# Altium PCB PCB1.PcbDoc (part 7 of 15) (continued)
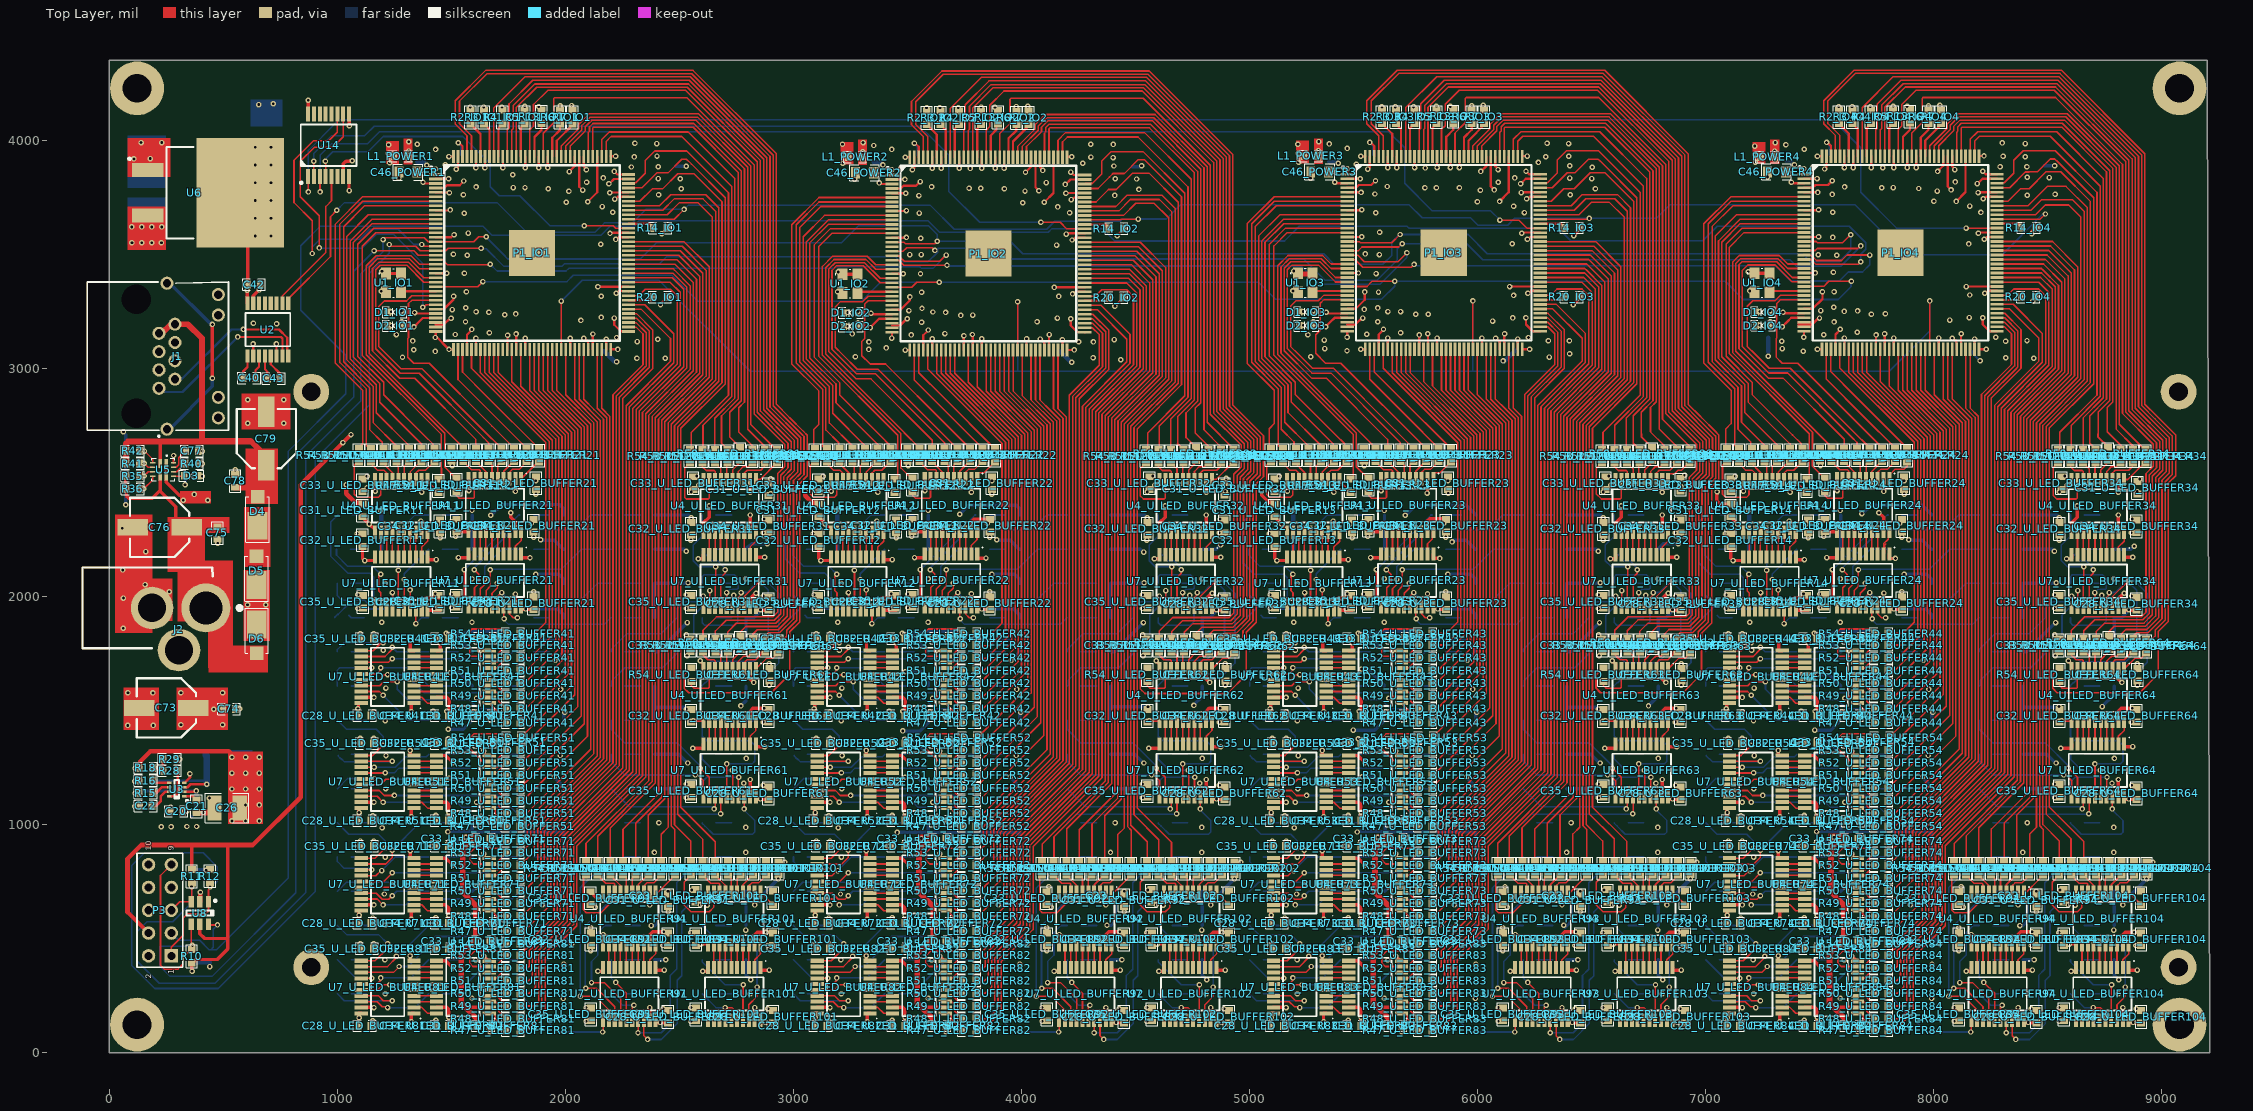
[diagram p0: Top Layer view]
## Nets (pads, with @x,y where several pads share a name; then routed paths per layer and width w, separated by ;. In a path a pad name is that pad's centre, name@x,y a point inside that pad or via, vN(x,y) a via of type N, cw(c..) or ccw(c..) an arc to the next point about the centre after c; other vN are vias at no path point) (continued)
  Bottom Layer w7: v2(7220.63,1657.16) 7300.63,1657.16 7380.1,1577.69 7631.16,1577.69 7660.63,1607.16 R19_U_LED_BUFFER44.2@7800.63,1607.16
L_OUT3_U_LED_BUFFER51: R19_U_LED_BUFFER51.2 U7_U_LED_BUFFER51.16 | length 323
  Top Layer w7: U7_U_LED_BUFFER51.16@1104.96,1174.37 1187.84,1174.37 1212.22,1198.76 v2(1243.11,1198.76)
  Bottom Layer w7: v2(1243.11,1198.76) 1339.04,1198.76 1340.63,1197.16 1380.63,1157.16 R19_U_LED_BUFFER51.2@1400.63,1157.16
L_OUT3_U_LED_BUFFER52: R19_U_LED_BUFFER52.2 U7_U_LED_BUFFER52.16 | length 323
  Top Layer w7: U7_U_LED_BUFFER52.16@3104.96,1174.37 3187.84,1174.37 3212.22,1198.76 v2(3243.11,1198.76)
  Bottom Layer w7: v2(3243.11,1198.76) 3339.04,1198.76 3340.63,1197.16 3380.63,1157.16 R19_U_LED_BUFFER52.2@3400.63,1157.16
L_OUT3_U_LED_BUFFER53: R19_U_LED_BUFFER53.2 U7_U_LED_BUFFER53.16 | length 323
  Top Layer w7: U7_U_LED_BUFFER53.16@5104.96,1174.37 5187.84,1174.37 5212.22,1198.76 v2(5243.11,1198.76)
  Bottom Layer w7: v2(5243.11,1198.76) 5339.04,1198.76 5340.63,1197.16 5380.63,1157.16 R19_U_LED_BUFFER53.2@5400.63,1157.16
L_OUT3_U_LED_BUFFER54: R19_U_LED_BUFFER54.2 U7_U_LED_BUFFER54.16 | length 323
  Top Layer w7: U7_U_LED_BUFFER54.16@7104.96,1174.37 7187.84,1174.37 7212.22,1198.76 v2(7243.11,1198.76)
  Bottom Layer w7: v2(7243.11,1198.76) 7339.04,1198.76 7340.63,1197.16 7380.63,1157.16 R19_U_LED_BUFFER54.2@7400.63,1157.16
L_OUT3_U_LED_BUFFER61: R19_U_LED_BUFFER61.2 U7_U_LED_BUFFER61.16 | length 289.6
  Top Layer w7: v2(2731.81,1237.73) 2731.81,1235.99 2733.43,1234.37 U7_U_LED_BUFFER61.16@2733.43,1121.5
  Bottom Layer w7: R19_U_LED_BUFFER61.2@2600.63,1307.16 2600.63,1285.45 2648.36,1237.73 v2(2731.81,1237.73)
L_OUT3_U_LED_BUFFER62: R19_U_LED_BUFFER62.2 U7_U_LED_BUFFER62.16 | length 289.6
  Top Layer w7: v2(4731.81,1237.73) 4731.81,1235.99 4733.43,1234.37 U7_U_LED_BUFFER62.16@4733.43,1121.5
  Bottom Layer w7: R19_U_LED_BUFFER62.2@4600.63,1307.16 4600.63,1285.45 4648.36,1237.73 v2(4731.81,1237.73)
L_OUT3_U_LED_BUFFER63: R19_U_LED_BUFFER63.2 U7_U_LED_BUFFER63.16 | length 289.6
  Top Layer w7: v2(6731.81,1237.73) 6731.81,1235.99 6733.43,1234.37 U7_U_LED_BUFFER63.16@6733.43,1121.5
  Bottom Layer w7: R19_U_LED_BUFFER63.2@6600.63,1307.16 6600.63,1285.45 6648.36,1237.73 v2(6731.81,1237.73)
L_OUT3_U_LED_BUFFER64: R19_U_LED_BUFFER64.2 U7_U_LED_BUFFER64.16 | length 289.6
  Top Layer w7: v2(8731.81,1237.73) 8731.81,1235.99 8733.43,1234.37 U7_U_LED_BUFFER64.16@8733.43,1121.5
  Bottom Layer w7: R19_U_LED_BUFFER64.2@8600.63,1307.16 8600.63,1285.45 8648.36,1237.73 v2(8731.81,1237.73)
L_OUT3_U_LED_BUFFER71: R19_U_LED_BUFFER71.2 U7_U_LED_BUFFER71.16 | length 401.7
  Top Layer w7: U7_U_LED_BUFFER71.16@1104.96,724.37 1227.84,724.37 v2(1240.63,737.16)
  Bottom Layer w7: R19_U_LED_BUFFER71.2@1000.63,707.16 1040.63,747.16 1230.63,747.16 v2(1240.63,737.16)
L_OUT3_U_LED_BUFFER72: R19_U_LED_BUFFER72.2 U7_U_LED_BUFFER72.16 | length 401.7
  Top Layer w7: U7_U_LED_BUFFER72.16@3104.96,724.37 3227.84,724.37 v2(3240.63,737.16)
  Bottom Layer w7: R19_U_LED_BUFFER72.2@3000.63,707.16 3040.63,747.16 3230.63,747.16 v2(3240.63,737.16)
L_OUT3_U_LED_BUFFER73: R19_U_LED_BUFFER73.2 U7_U_LED_BUFFER73.16 | length 401.7
  Top Layer w7: U7_U_LED_BUFFER73.16@5104.96,724.37 5227.84,724.37 v2(5240.63,737.16)
  Bottom Layer w7: R19_U_LED_BUFFER73.2@5000.63,707.16 5040.63,747.16 5230.63,747.16 v2(5240.63,737.16)
L_OUT3_U_LED_BUFFER74: R19_U_LED_BUFFER74.2 U7_U_LED_BUFFER74.16 | length 401.7
  Top Layer w7: U7_U_LED_BUFFER74.16@7104.96,724.37 7227.84,724.37 v2(7240.63,737.16)
  Bottom Layer w7: R19_U_LED_BUFFER74.2@7000.63,707.16 7040.63,747.16 7230.63,747.16 v2(7240.63,737.16)
L_OUT3_U_LED_BUFFER81: R19_U_LED_BUFFER81.2 U7_U_LED_BUFFER81.16 | length 750.5
  Top Layer w7: U7_U_LED_BUFFER81.16@1104.96,274.37 1177.84,274.37 1200.63,297.16 v2@1230.63,297.16
  Bottom Layer w7: v2(1230.79,297.26) 1560.73,297.26 1670.63,407.16 R19_U_LED_BUFFER81.2@1800.63,407.16
L_OUT3_U_LED_BUFFER82: R19_U_LED_BUFFER82.2 U7_U_LED_BUFFER82.16 | length 750.5
  Top Layer w7: U7_U_LED_BUFFER82.16@3104.96,274.37 3177.84,274.37 3200.63,297.16 v2@3230.63,297.16
  Bottom Layer w7: v2(3230.79,297.26) 3560.73,297.26 3670.63,407.16 R19_U_LED_BUFFER82.2@3800.63,407.16
L_OUT3_U_LED_BUFFER83: R19_U_LED_BUFFER83.2 U7_U_LED_BUFFER83.16 | length 750.5
  Top Layer w7: U7_U_LED_BUFFER83.16@5104.96,274.37 5177.84,274.37 5200.63,297.16 v2@5230.63,297.16
  Bottom Layer w7: v2(5230.79,297.26) 5560.73,297.26 5670.63,407.16 R19_U_LED_BUFFER83.2@5800.63,407.16
L_OUT3_U_LED_BUFFER84: R19_U_LED_BUFFER84.2 U7_U_LED_BUFFER84.16 | length 750.5
  Top Layer w7: U7_U_LED_BUFFER84.16@7104.96,274.37 7177.84,274.37 7200.63,297.16 v2@7230.63,297.16
  Bottom Layer w7: v2(7230.79,297.26) 7560.73,297.26 7670.63,407.16 R19_U_LED_BUFFER84.2@7800.63,407.16
L_OUT3_U_LED_BUFFER91: R19_U_LED_BUFFER91.2 U7_U_LED_BUFFER91.16 | length 189.4
  Top Layer w7: U7_U_LED_BUFFER91.16@2293.43,141.5 2293.43,199.96 v2(2300.63,207.16)
  Bottom Layer w7: R19_U_LED_BUFFER91.2@2200.63,257.16 2250.63,207.16 v2(2300.63,207.16)
L_OUT3_U_LED_BUFFER92: R19_U_LED_BUFFER92.2 U7_U_LED_BUFFER92.16 | length 189.4
  Top Layer w7: U7_U_LED_BUFFER92.16@4293.43,141.5 4293.43,199.96 v2(4300.63,207.16)
  Bottom Layer w7: R19_U_LED_BUFFER92.2@4200.63,257.16 4250.63,207.16 v2(4300.63,207.16)
L_OUT3_U_LED_BUFFER93: R19_U_LED_BUFFER93.2 U7_U_LED_BUFFER93.16 | length 189.4
  Top Layer w7: U7_U_LED_BUFFER93.16@6293.43,141.5 6293.43,199.96 v2(6300.63,207.16)
  Bottom Layer w7: R19_U_LED_BUFFER93.2@6200.63,257.16 6250.63,207.16 v2(6300.63,207.16)
L_OUT3_U_LED_BUFFER94: R19_U_LED_BUFFER94.2 U7_U_LED_BUFFER94.16 | length 189.4
  Top Layer w7: U7_U_LED_BUFFER94.16@8293.43,141.5 8293.43,199.96 v2(8300.63,207.16)
  Bottom Layer w7: R19_U_LED_BUFFER94.2@8200.63,257.16 8250.63,207.16 v2(8300.63,207.16)
L_OUT3_U_LED_BUFFER101: R19_U_LED_BUFFER101.2 U7_U_LED_BUFFER101.16 | length 220
  Top Layer w7: v2(2700.63,197.16) 2730.63,197.16 2753.43,174.37 U7_U_LED_BUFFER101.16@2753.43,141.5
  Bottom Layer w7: R19_U_LED_BUFFER101.2@2600.63,257.16 2660.63,197.16 v2(2700.63,197.16)
L_OUT3_U_LED_BUFFER102: R19_U_LED_BUFFER102.2 U7_U_LED_BUFFER102.16 | length 220
  Top Layer w7: v2(4700.63,197.16) 4730.63,197.16 4753.43,174.37 U7_U_LED_BUFFER102.16@4753.43,141.5
  Bottom Layer w7: R19_U_LED_BUFFER102.2@4600.63,257.16 4660.63,197.16 v2(4700.63,197.16)
L_OUT3_U_LED_BUFFER103: R19_U_LED_BUFFER103.2 U7_U_LED_BUFFER103.16 | length 220
  Top Layer w7: v2(6700.63,197.16) 6730.63,197.16 6753.43,174.37 U7_U_LED_BUFFER103.16@6753.43,141.5
  Bottom Layer w7: R19_U_LED_BUFFER103.2@6600.63,257.16 6660.63,197.16 v2(6700.63,197.16)
L_OUT3_U_LED_BUFFER104: R19_U_LED_BUFFER104.2 U7_U_LED_BUFFER104.16 | length 220
  Top Layer w7: v2(8700.63,197.16) 8730.63,197.16 8753.43,174.37 U7_U_LED_BUFFER104.16@8753.43,141.5
  Bottom Layer w7: R19_U_LED_BUFFER104.2@8600.63,257.16 8660.63,197.16 v2(8700.63,197.16)
L_OUT4_U_LED_BUFFER11: R22_U_LED_BUFFER11.2 U7_U_LED_BUFFER11.15 | length 505.5
  Top Layer w7: U7_U_LED_BUFFER11.15@1267.89,1941.81 v2(1267.89,2114.42)
  Bottom Layer w7: v2(1267.89,2114.42) 1267.89,2284.42 1340.63,2357.16 R22_U_LED_BUFFER11.2@1400.63,2357.16
L_OUT4_U_LED_BUFFER12: R22_U_LED_BUFFER12.2 U7_U_LED_BUFFER12.15 | length 505.5
  Top Layer w7: U7_U_LED_BUFFER12.15@3267.89,1941.81 v2(3267.89,2114.42)
  Bottom Layer w7: v2(3267.89,2114.42) 3267.89,2284.42 3340.63,2357.16 R22_U_LED_BUFFER12.2@3400.63,2357.16
L_OUT4_U_LED_BUFFER13: R22_U_LED_BUFFER13.2 U7_U_LED_BUFFER13.15 | length 505.5
  Top Layer w7: U7_U_LED_BUFFER13.15@5267.89,1941.81 v2(5267.89,2114.42)
  Bottom Layer w7: v2(5267.89,2114.42) 5267.89,2284.42 5340.63,2357.16 R22_U_LED_BUFFER13.2@5400.63,2357.16
L_OUT4_U_LED_BUFFER14: R22_U_LED_BUFFER14.2 U7_U_LED_BUFFER14.15 | length 505.5
  Top Layer w7: U7_U_LED_BUFFER14.15@7267.89,1941.81 v2(7267.89,2114.42)
  Bottom Layer w7: v2(7267.89,2114.42) 7267.89,2284.42 7340.63,2357.16 R22_U_LED_BUFFER14.2@7400.63,2357.16
L_OUT4_U_LED_BUFFER21: R22_U_LED_BUFFER21.2 U7_U_LED_BUFFER21.15 | length 211.5
  Top Layer w7: U7_U_LED_BUFFER21.15@1678.43,1954.83 1678.43,2013.47 1700.63,2035.67 v2(1700.63,2057.16)
  Bottom Layer w7: v2(1700.63,2057.16) R22_U_LED_BUFFER21.2@1800.63,2057.16
L_OUT4_U_LED_BUFFER22: R22_U_LED_BUFFER22.2 U7_U_LED_BUFFER22.15 | length 211.5
  Top Layer w7: U7_U_LED_BUFFER22.15@3678.43,1954.83 3678.43,2013.47 3700.63,2035.67 v2(3700.63,2057.16)
  Bottom Layer w7: v2(3700.63,2057.16) R22_U_LED_BUFFER22.2@3800.63,2057.16
L_OUT4_U_LED_BUFFER23: R22_U_LED_BUFFER23.2 U7_U_LED_BUFFER23.15 | length 211.5
  Top Layer w7: U7_U_LED_BUFFER23.15@5678.43,1954.83 5678.43,2013.47 5700.63,2035.67 v2(5700.63,2057.16)
  Bottom Layer w7: v2(5700.63,2057.16) R22_U_LED_BUFFER23.2@5800.63,2057.16
L_OUT4_U_LED_BUFFER24: R22_U_LED_BUFFER24.2 U7_U_LED_BUFFER24.15 | length 211.5
  Top Layer w7: U7_U_LED_BUFFER24.15@7678.43,1954.83 7678.43,2013.47 7700.63,2035.67 v2(7700.63,2057.16)
  Bottom Layer w7: v2(7700.63,2057.16) R22_U_LED_BUFFER24.2@7800.63,2057.16
L_OUT4_U_LED_BUFFER31: R22_U_LED_BUFFER31.2 U7_U_LED_BUFFER31.15 | length 363.6
  Top Layer w7: v2(2706.94,2016.96) 2707.84,2016.06 U7_U_LED_BUFFER31.15@2707.84,1951.5
  Bottom Layer w7: R22_U_LED_BUFFER31.2@2600.63,2057.16 2600.63,2087.16 2608.13,2094.66 2740.56,2094.66 2758.06,2077.16 2758.06,2036.42 2752.55,2030.9 2720.88,2030.9 v2(2706.94,2016.96)
L_OUT4_U_LED_BUFFER32: R22_U_LED_BUFFER32.2 U7_U_LED_BUFFER32.15 | length 363.6
  Top Layer w7: v2(4706.94,2016.96) 4707.84,2016.06 U7_U_LED_BUFFER32.15@4707.84,1951.5
  Bottom Layer w7: R22_U_LED_BUFFER32.2@4600.63,2057.16 4600.63,2087.16 4608.13,2094.66 4740.56,2094.66 4758.06,2077.16 4758.06,2036.42 4752.55,2030.9 4720.88,2030.9 v2(4706.94,2016.96)
L_OUT4_U_LED_BUFFER33: R22_U_LED_BUFFER33.2 U7_U_LED_BUFFER33.15 | length 363.6
  Top Layer w7: v2(6706.94,2016.96) 6707.84,2016.06 U7_U_LED_BUFFER33.15@6707.84,1951.5
  Bottom Layer w7: R22_U_LED_BUFFER33.2@6600.63,2057.16 6600.63,2087.16 6608.13,2094.66 6740.56,2094.66 6758.06,2077.16 6758.06,2036.42 6752.55,2030.9 6720.88,2030.9 v2(6706.94,2016.96)
L_OUT4_U_LED_BUFFER34: R22_U_LED_BUFFER34.2 U7_U_LED_BUFFER34.15 | length 363.6
  Top Layer w7: v2(8706.94,2016.96) 8707.84,2016.06 U7_U_LED_BUFFER34.15@8707.84,1951.5
  Bottom Layer w7: R22_U_LED_BUFFER34.2@8600.63,2057.16 8600.63,2087.16 8608.13,2094.66 8740.56,2094.66 8758.06,2077.16 8758.06,2036.42 8752.55,2030.9 8720.88,2030.9 v2(8706.94,2016.96)
L_OUT4_U_LED_BUFFER41: R22_U_LED_BUFFER41.2 U7_U_LED_BUFFER41.15 | length 335.9
  Top Layer w7: U7_U_LED_BUFFER41.15@1104.96,1659.96 1173.43,1659.96 v2@1190.63,1677.16
  Bottom Layer w7: v2(1190.63,1687.16) 1320.63,1687.16 R22_U_LED_BUFFER41.2@1400.63,1607.16
L_OUT4_U_LED_BUFFER42: R22_U_LED_BUFFER42.2 U7_U_LED_BUFFER42.15 | length 335.9
  Top Layer w7: U7_U_LED_BUFFER42.15@3104.96,1659.96 3173.43,1659.96 v2@3190.63,1677.16
  Bottom Layer w7: v2(3190.63,1687.16) 3320.63,1687.16 R22_U_LED_BUFFER42.2@3400.63,1607.16
L_OUT4_U_LED_BUFFER43: R22_U_LED_BUFFER43.2 U7_U_LED_BUFFER43.15 | length 335.9
  Top Layer w7: U7_U_LED_BUFFER43.15@5104.96,1659.96 5173.43,1659.96 v2@5190.63,1677.16
  Bottom Layer w7: v2(5190.63,1687.16) 5320.63,1687.16 R22_U_LED_BUFFER43.2@5400.63,1607.16
L_OUT4_U_LED_BUFFER44: R22_U_LED_BUFFER44.2 U7_U_LED_BUFFER44.15 | length 335.9
  Top Layer w7: U7_U_LED_BUFFER44.15@7104.96,1659.96 7173.43,1659.96 v2@7190.63,1677.16
  Bottom Layer w7: v2(7190.63,1687.16) 7320.63,1687.16 R22_U_LED_BUFFER44.2@7400.63,1607.16
L_OUT4_U_LED_BUFFER51: R22_U_LED_BUFFER51.2 U7_U_LED_BUFFER51.15 | length 238.5
  Top Layer w7: U7_U_LED_BUFFER51.15@1104.96,1199.96 1161.37,1199.96 v2(1162.99,1201.57)
  Bottom Layer w7: R22_U_LED_BUFFER51.2@1000.63,1157.16 1045.04,1201.57 v2@1162.03,1201.57
L_OUT4_U_LED_BUFFER52: R22_U_LED_BUFFER52.2 U7_U_LED_BUFFER52.15 | length 238.5
  Top Layer w7: U7_U_LED_BUFFER52.15@3104.96,1199.96 3161.37,1199.96 v2(3162.99,1201.57)
  Bottom Layer w7: R22_U_LED_BUFFER52.2@3000.63,1157.16 3045.04,1201.57 v2@3162.03,1201.57
L_OUT4_U_LED_BUFFER53: R22_U_LED_BUFFER53.2 U7_U_LED_BUFFER53.15 | length 238.5
  Top Layer w7: U7_U_LED_BUFFER53.15@5104.96,1199.96 5161.37,1199.96 v2(5162.99,1201.57)
  Bottom Layer w7: R22_U_LED_BUFFER53.2@5000.63,1157.16 5045.04,1201.57 v2@5162.03,1201.57
L_OUT4_U_LED_BUFFER54: R22_U_LED_BUFFER54.2 U7_U_LED_BUFFER54.15 | length 238.5
  Top Layer w7: U7_U_LED_BUFFER54.15@7104.96,1199.96 7161.37,1199.96 v2(7162.99,1201.57)
  Bottom Layer w7: R22_U_LED_BUFFER54.2@7000.63,1157.16 7045.04,1201.57 v2@7162.03,1201.57
L_OUT4_U_LED_BUFFER61: R22_U_LED_BUFFER61.2 U7_U_LED_BUFFER61.15 | length 662.1
  Top Layer w7: U7_U_LED_BUFFER61.15@2707.84,1121.5 2707.84,1265.38 v2(2707.65,1265.56) 2709.26,1267.16 v2@2710.63,1267.16
  Bottom Layer w7: R22_U_LED_BUFFER61.2@2600.63,1457.16 2600.63,1387.16 2620.63,1367.16 2810.63,1367.16 2830.63,1347.16 2830.63,1277.16 2819.03,1265.56 v2(2707.65,1265.56)
L_OUT4_U_LED_BUFFER62: R22_U_LED_BUFFER62.2 U7_U_LED_BUFFER62.15 | length 662.1
  Top Layer w7: U7_U_LED_BUFFER62.15@4707.84,1121.5 4707.84,1265.38 v2(4707.65,1265.56) 4709.26,1267.16 v2@4710.63,1267.16
  Bottom Layer w7: R22_U_LED_BUFFER62.2@4600.63,1457.16 4600.63,1387.16 4620.63,1367.16 4810.63,1367.16 4830.63,1347.16 4830.63,1277.16 4819.03,1265.56 v2(4707.65,1265.56)
L_OUT4_U_LED_BUFFER63: R22_U_LED_BUFFER63.2 U7_U_LED_BUFFER63.15 | length 662.1
  Top Layer w7: U7_U_LED_BUFFER63.15@6707.84,1121.5 6707.84,1265.38 v2(6707.65,1265.56) 6709.26,1267.16 v2@6710.63,1267.16
  Bottom Layer w7: R22_U_LED_BUFFER63.2@6600.63,1457.16 6600.63,1387.16 6620.63,1367.16 6810.63,1367.16 6830.63,1347.16 6830.63,1277.16 6819.03,1265.56 v2(6707.65,1265.56)
L_OUT4_U_LED_BUFFER64: R22_U_LED_BUFFER64.2 U7_U_LED_BUFFER64.15 | length 662.1
  Top Layer w7: U7_U_LED_BUFFER64.15@8707.84,1121.5 8707.84,1265.38 v2(8707.65,1265.56) 8709.26,1267.16 v2@8710.63,1267.16
  Bottom Layer w7: R22_U_LED_BUFFER64.2@8600.63,1457.16 8600.63,1387.16 8620.63,1367.16 8810.63,1367.16 8830.63,1347.16 8830.63,1277.16 8819.03,1265.56 v2(8707.65,1265.56)
L_OUT4_U_LED_BUFFER71: R22_U_LED_BUFFER71.2 U7_U_LED_BUFFER71.15 | length 739.6
  Top Layer w7: U7_U_LED_BUFFER71.15@1104.96,749.96 1203.43,749.96 v2@1240.63,787.16
  Bottom Layer w7: v2(1240.56,788.4) 1241.31,789.15 1662.62,789.15 1730.63,857.16 R22_U_LED_BUFFER71.2@1800.63,857.16
L_OUT4_U_LED_BUFFER72: R22_U_LED_BUFFER72.2 U7_U_LED_BUFFER72.15 | length 739.6
  Top Layer w7: U7_U_LED_BUFFER72.15@3104.96,749.96 3203.43,749.96 v2@3240.63,787.16
  Bottom Layer w7: v2(3240.56,788.4) 3241.31,789.15 3662.62,789.15 3730.63,857.16 R22_U_LED_BUFFER72.2@3800.63,857.16
L_OUT4_U_LED_BUFFER73: R22_U_LED_BUFFER73.2 U7_U_LED_BUFFER73.15 | length 739.6
  Top Layer w7: U7_U_LED_BUFFER73.15@5104.96,749.96 5203.43,749.96 v2@5240.63,787.16
  Bottom Layer w7: v2(5240.56,788.4) 5241.31,789.15 5662.62,789.15 5730.63,857.16 R22_U_LED_BUFFER73.2@5800.63,857.16
L_OUT4_U_LED_BUFFER74: R22_U_LED_BUFFER74.2 U7_U_LED_BUFFER74.15 | length 739.6
  Top Layer w7: U7_U_LED_BUFFER74.15@7104.96,749.96 7203.43,749.96 v2@7240.63,787.16
  Bottom Layer w7: v2(7240.56,788.4) 7241.31,789.15 7662.62,789.15 7730.63,857.16 R22_U_LED_BUFFER74.2@7800.63,857.16
L_OUT4_U_LED_BUFFER81: R22_U_LED_BUFFER81.2 U7_U_LED_BUFFER81.15 | length 345.9
  Top Layer w7: U7_U_LED_BUFFER81.15@1104.96,299.96 1173.43,299.96 1190.63,317.16 v2(1190.63,327.16)
  Bottom Layer w7: v2(1190.63,327.16) 1320.63,327.16 R22_U_LED_BUFFER81.2@1400.63,407.16
L_OUT4_U_LED_BUFFER82: R22_U_LED_BUFFER82.2 U7_U_LED_BUFFER82.15 | length 345.9
  Top Layer w7: U7_U_LED_BUFFER82.15@3104.96,299.96 3173.43,299.96 3190.63,317.16 v2(3190.63,327.16)
  Bottom Layer w7: v2(3190.63,327.16) 3320.63,327.16 R22_U_LED_BUFFER82.2@3400.63,407.16
L_OUT4_U_LED_BUFFER83: R22_U_LED_BUFFER83.2 U7_U_LED_BUFFER83.15 | length 345.9
  Top Layer w7: U7_U_LED_BUFFER83.15@5104.96,299.96 5173.43,299.96 5190.63,317.16 v2(5190.63,327.16)
  Bottom Layer w7: v2(5190.63,327.16) 5320.63,327.16 R22_U_LED_BUFFER83.2@5400.63,407.16
L_OUT4_U_LED_BUFFER84: R22_U_LED_BUFFER84.2 U7_U_LED_BUFFER84.15 | length 345.9
  Top Layer w7: U7_U_LED_BUFFER84.15@7104.96,299.96 7173.43,299.96 7190.63,317.16 v2(7190.63,327.16)
  Bottom Layer w7: v2(7190.63,327.16) 7320.63,327.16 R22_U_LED_BUFFER84.2@7400.63,407.16
L_OUT4_U_LED_BUFFER91: R22_U_LED_BUFFER91.2 U7_U_LED_BUFFER91.15 | length 293.5
  Top Layer w7: v2(2220.63,307.16) 2267.84,259.96 U7_U_LED_BUFFER91.15@2267.84,141.5
  Bottom Layer w7: R22_U_LED_BUFFER91.2@2200.63,407.16 2200.63,327.16 v2(2220.63,307.16)
L_OUT4_U_LED_BUFFER92: R22_U_LED_BUFFER92.2 U7_U_LED_BUFFER92.15 | length 293.5
  Top Layer w7: v2(4220.63,307.16) 4267.84,259.96 U7_U_LED_BUFFER92.15@4267.84,141.5
  Bottom Layer w7: R22_U_LED_BUFFER92.2@4200.63,407.16 4200.63,327.16 v2(4220.63,307.16)
L_OUT4_U_LED_BUFFER93: R22_U_LED_BUFFER93.2 U7_U_LED_BUFFER93.15 | length 293.5
  Top Layer w7: v2(6220.63,307.16) 6267.84,259.96 U7_U_LED_BUFFER93.15@6267.84,141.5
  Bottom Layer w7: R22_U_LED_BUFFER93.2@6200.63,407.16 6200.63,327.16 v2(6220.63,307.16)
L_OUT4_U_LED_BUFFER94: R22_U_LED_BUFFER94.2 U7_U_LED_BUFFER94.15 | length 293.5
  Top Layer w7: v2(8220.63,307.16) 8267.84,259.96 U7_U_LED_BUFFER94.15@8267.84,141.5
  Bottom Layer w7: R22_U_LED_BUFFER94.2@8200.63,407.16 8200.63,327.16 v2(8220.63,307.16)
L_OUT4_U_LED_BUFFER101: U7_U_LED_BUFFER101.15
L_OUT4_U_LED_BUFFER102: U7_U_LED_BUFFER102.15
L_OUT4_U_LED_BUFFER103: U7_U_LED_BUFFER103.15
L_OUT4_U_LED_BUFFER104: U7_U_LED_BUFFER104.15
L_OUT5_U_LED_BUFFER11: R26_U_LED_BUFFER11.2 U7_U_LED_BUFFER11.14 | length 421.3
  Top Layer w7: v2(1241.59,2016.95) 1242.3,2016.25 U7_U_LED_BUFFER11.14@1242.3,1941.81
  Bottom Layer w7: R26_U_LED_BUFFER11.2@989.33,1906.72 989.33,1909.22 1000.83,1920.72 1003.33,1920.72 1052.28,1969.66 1099.95,1969.66 1113.13,1956.48 1124.84,1944.77 1213.57,1944.77 1241.59,1972.8 v2(1241.59,2016.95)
L_OUT5_U_LED_BUFFER12: R26_U_LED_BUFFER12.2 U7_U_LED_BUFFER12.14 | length 421.3
  Top Layer w7: v2(3241.59,2016.95) 3242.3,2016.25 U7_U_LED_BUFFER12.14@3242.3,1941.81
  Bottom Layer w7: R26_U_LED_BUFFER12.2@2989.33,1906.72 2989.33,1909.22 3000.83,1920.72 3003.33,1920.72 3052.28,1969.66 3099.95,1969.66 3113.13,1956.48 3124.84,1944.77 3213.57,1944.77 3241.59,1972.8 v2(3241.59,2016.95)
L_OUT5_U_LED_BUFFER13: R26_U_LED_BUFFER13.2 U7_U_LED_BUFFER13.14 | length 421.3
  Top Layer w7: v2(5241.59,2016.95) 5242.3,2016.25 U7_U_LED_BUFFER13.14@5242.3,1941.81
  Bottom Layer w7: R26_U_LED_BUFFER13.2@4989.33,1906.72 4989.33,1909.22 5000.83,1920.72 5003.33,1920.72 5052.28,1969.66 5099.95,1969.66 5113.13,1956.48 5124.84,1944.77 5213.57,1944.77 5241.59,1972.8 v2(5241.59,2016.95)
L_OUT5_U_LED_BUFFER14: R26_U_LED_BUFFER14.2 U7_U_LED_BUFFER14.14 | length 421.3
  Top Layer w7: v2(7241.59,2016.95) 7242.3,2016.25 U7_U_LED_BUFFER14.14@7242.3,1941.81
  Bottom Layer w7: R26_U_LED_BUFFER14.2@6989.33,1906.72 6989.33,1909.22 7000.83,1920.72 7003.33,1920.72 7052.28,1969.66 7099.95,1969.66 7113.13,1956.48 7124.84,1944.77 7213.57,1944.77 7241.59,1972.8 v2(7241.59,2016.95)
L_OUT5_U_LED_BUFFER21: R26_U_LED_BUFFER21.2 U7_U_LED_BUFFER21.14 | length 737
  Top Layer w7: U7_U_LED_BUFFER21.14@1652.84,1954.83 1652.84,2026.32 1670.63,2044.11 v2(1670.63,2117.16)
  Bottom Layer w7: v2(1670.63,2117.16) 1673.5,2120.03 1983.5,2120.03 2070.63,2207.16 R26_U_LED_BUFFER21.2@2200.63,2207.16
L_OUT5_U_LED_BUFFER22: R26_U_LED_BUFFER22.2 U7_U_LED_BUFFER22.14 | length 737
  Top Layer w7: U7_U_LED_BUFFER22.14@3652.84,1954.83 3652.84,2026.32 3670.63,2044.11 v2(3670.63,2117.16)
  Bottom Layer w7: v2(3670.63,2117.16) 3673.5,2120.03 3983.5,2120.03 4070.63,2207.16 R26_U_LED_BUFFER22.2@4200.63,2207.16
L_OUT5_U_LED_BUFFER23: R26_U_LED_BUFFER23.2 U7_U_LED_BUFFER23.14 | length 737
  Top Layer w7: U7_U_LED_BUFFER23.14@5652.84,1954.83 5652.84,2026.32 5670.63,2044.11 v2(5670.63,2117.16)
  Bottom Layer w7: v2(5670.63,2117.16) 5673.5,2120.03 5983.5,2120.03 6070.63,2207.16 R26_U_LED_BUFFER23.2@6200.63,2207.16
L_OUT5_U_LED_BUFFER24: R26_U_LED_BUFFER24.2 U7_U_LED_BUFFER24.14 | length 737
  Top Layer w7: U7_U_LED_BUFFER24.14@7652.84,1954.83 7652.84,2026.32 7670.63,2044.11 v2(7670.63,2117.16)
  Bottom Layer w7: v2(7670.63,2117.16) 7673.5,2120.03 7983.5,2120.03 8070.63,2207.16 R26_U_LED_BUFFER24.2@8200.63,2207.16
L_OUT5_U_LED_BUFFER31: R26_U_LED_BUFFER31.2 U7_U_LED_BUFFER31.14 | length 319.5
  Top Layer w7: U7_U_LED_BUFFER31.14@2682.25,1951.5 2682.25,2083.19 2700.63,2101.58 v2(2700.63,2117.16)
  Bottom Layer w7: R26_U_LED_BUFFER31.2@2600.63,2207.16 2601.67,2206.13 2601.67,2197.85 2642.36,2157.16 2667.58,2157.16 2700.63,2124.12 v2(2700.63,2117.16)
L_OUT5_U_LED_BUFFER32: R26_U_LED_BUFFER32.2 U7_U_LED_BUFFER32.14 | length 319.5
  Top Layer w7: U7_U_LED_BUFFER32.14@4682.25,1951.5 4682.25,2083.19 4700.63,2101.58 v2(4700.63,2117.16)
  Bottom Layer w7: R26_U_LED_BUFFER32.2@4600.63,2207.16 4601.67,2206.13 4601.67,2197.85 4642.36,2157.16 4667.58,2157.16 4700.63,2124.12 v2(4700.63,2117.16)
L_OUT5_U_LED_BUFFER33: R26_U_LED_BUFFER33.2 U7_U_LED_BUFFER33.14 | length 319.5
  Top Layer w7: U7_U_LED_BUFFER33.14@6682.25,1951.5 6682.25,2083.19 6700.63,2101.58 v2(6700.63,2117.16)
  Bottom Layer w7: R26_U_LED_BUFFER33.2@6600.63,2207.16 6601.67,2206.13 6601.67,2197.85 6642.36,2157.16 6667.58,2157.16 6700.63,2124.12 v2(6700.63,2117.16)
L_OUT5_U_LED_BUFFER34: R26_U_LED_BUFFER34.2 U7_U_LED_BUFFER34.14 | length 319.5
  Top Layer w7: U7_U_LED_BUFFER34.14@8682.25,1951.5 8682.25,2083.19 8700.63,2101.58 v2(8700.63,2117.16)
  Bottom Layer w7: R26_U_LED_BUFFER34.2@8600.63,2207.16 8601.67,2206.13 8601.67,2197.85 8642.36,2157.16 8667.58,2157.16 8700.63,2124.12 v2(8700.63,2117.16)
L_OUT5_U_LED_BUFFER41: R26_U_LED_BUFFER41.2 U7_U_LED_BUFFER41.14 | length 262.8
  Top Layer w7: U7_U_LED_BUFFER41.14@1104.96,1685.55 1143.11,1685.55 v2@1143.5,1685.16
  Bottom Layer w7: R26_U_LED_BUFFER41.2@1000.63,1607.16 1000.63,1677.16 1010.63,1687.16 v2(1150.63,1687.16)
L_OUT5_U_LED_BUFFER42: R26_U_LED_BUFFER42.2 U7_U_LED_BUFFER42.14 | length 262.8
  Top Layer w7: U7_U_LED_BUFFER42.14@3104.96,1685.55 3143.11,1685.55 v2@3143.5,1685.16
  Bottom Layer w7: R26_U_LED_BUFFER42.2@3000.63,1607.16 3000.63,1677.16 3010.63,1687.16 v2(3150.63,1687.16)
L_OUT5_U_LED_BUFFER43: R26_U_LED_BUFFER43.2 U7_U_LED_BUFFER43.14 | length 262.8
  Top Layer w7: U7_U_LED_BUFFER43.14@5104.96,1685.55 5143.11,1685.55 v2@5143.5,1685.16
  Bottom Layer w7: R26_U_LED_BUFFER43.2@5000.63,1607.16 5000.63,1677.16 5010.63,1687.16 v2(5150.63,1687.16)
L_OUT5_U_LED_BUFFER44: R26_U_LED_BUFFER44.2 U7_U_LED_BUFFER44.14 | length 262.8
  Top Layer w7: U7_U_LED_BUFFER44.14@7104.96,1685.55 7143.11,1685.55 v2@7143.5,1685.16
  Bottom Layer w7: R26_U_LED_BUFFER44.2@7000.63,1607.16 7000.63,1677.16 7010.63,1687.16 v2(7150.63,1687.16)
L_OUT5_U_LED_BUFFER51: R26_U_LED_BUFFER51.2 U7_U_LED_BUFFER51.14 | length 729.5
  Top Layer w7: U7_U_LED_BUFFER51.14@1104.96,1225.55 1209.02,1225.55 v2(1210.63,1227.16)
  Bottom Layer w7: v2(1210.63,1227.16) 1250.43,1227.16 1270.43,1247.16 1700.63,1247.16 1760.63,1307.16 R26_U_LED_BUFFER51.2@1800.63,1307.16
L_OUT5_U_LED_BUFFER52: R26_U_LED_BUFFER52.2 U7_U_LED_BUFFER52.14 | length 729.5
  Top Layer w7: U7_U_LED_BUFFER52.14@3104.96,1225.55 3209.02,1225.55 v2(3210.63,1227.16)
  Bottom Layer w7: v2(3210.63,1227.16) 3250.43,1227.16 3270.43,1247.16 3700.63,1247.16 3760.63,1307.16 R26_U_LED_BUFFER52.2@3800.63,1307.16
L_OUT5_U_LED_BUFFER53: R26_U_LED_BUFFER53.2 U7_U_LED_BUFFER53.14 | length 729.5
  Top Layer w7: U7_U_LED_BUFFER53.14@5104.96,1225.55 5209.02,1225.55 v2(5210.63,1227.16)
  Bottom Layer w7: v2(5210.63,1227.16) 5250.43,1227.16 5270.43,1247.16 5700.63,1247.16 5760.63,1307.16 R26_U_LED_BUFFER53.2@5800.63,1307.16
L_OUT5_U_LED_BUFFER54: R26_U_LED_BUFFER54.2 U7_U_LED_BUFFER54.14 | length 729.5
  Top Layer w7: U7_U_LED_BUFFER54.14@7104.96,1225.55 7209.02,1225.55 v2(7210.63,1227.16)
  Bottom Layer w7: v2(7210.63,1227.16) 7250.43,1227.16 7270.43,1247.16 7700.63,1247.16 7760.63,1307.16 R26_U_LED_BUFFER54.2@7800.63,1307.16
L_OUT5_U_LED_BUFFER61: R26_U_LED_BUFFER61.2 U7_U_LED_BUFFER61.14 | length 572.5
  Top Layer w7: v2(2680.63,1047.16) 2682.25,1047.16 U7_U_LED_BUFFER61.14@2682.25,1121.5
  Bottom Layer w7: R26_U_LED_BUFFER61.2@2200.63,1007.16 2238.96,1045.49 2642.97,1045.49 2661.61,1045.49 2678.96,1045.49 v2(2680.63,1047.16)
L_OUT5_U_LED_BUFFER62: R26_U_LED_BUFFER62.2 U7_U_LED_BUFFER62.14 | length 572.5
  Top Layer w7: v2(4680.63,1047.16) 4682.25,1047.16 U7_U_LED_BUFFER62.14@4682.25,1121.5
  Bottom Layer w7: R26_U_LED_BUFFER62.2@4200.63,1007.16 4238.96,1045.49 4642.97,1045.49 4661.61,1045.49 4678.96,1045.49 v2(4680.63,1047.16)
L_OUT5_U_LED_BUFFER63: R26_U_LED_BUFFER63.2 U7_U_LED_BUFFER63.14 | length 572.5
  Top Layer w7: v2(6680.63,1047.16) 6682.25,1047.16 U7_U_LED_BUFFER63.14@6682.25,1121.5
  Bottom Layer w7: R26_U_LED_BUFFER63.2@6200.63,1007.16 6238.96,1045.49 6642.97,1045.49 6661.61,1045.49 6678.96,1045.49 v2(6680.63,1047.16)
L_OUT5_U_LED_BUFFER64: R26_U_LED_BUFFER64.2 U7_U_LED_BUFFER64.14 | length 572.5
  Top Layer w7: v2(8680.63,1047.16) 8682.25,1047.16 U7_U_LED_BUFFER64.14@8682.25,1121.5
  Bottom Layer w7: R26_U_LED_BUFFER64.2@8200.63,1007.16 8238.96,1045.49 8642.97,1045.49 8661.61,1045.49 8678.96,1045.49 v2(8680.63,1047.16)
L_OUT5_U_LED_BUFFER71: R26_U_LED_BUFFER71.2 U7_U_LED_BUFFER71.14 | length 329.5
  Top Layer w7: U7_U_LED_BUFFER71.14@1104.96,775.55 1169.02,775.55 1191.3,797.83 v2(1194.39,797.83)
  Bottom Layer w7: v2(1194.39,797.83) 1253.72,857.16 R26_U_LED_BUFFER71.2@1400.63,857.16
L_OUT5_U_LED_BUFFER72: R26_U_LED_BUFFER72.2 U7_U_LED_BUFFER72.14 | length 329.5
  Top Layer w7: U7_U_LED_BUFFER72.14@3104.96,775.55 3169.02,775.55 3191.3,797.83 v2(3194.39,797.83)
  Bottom Layer w7: v2(3194.39,797.83) 3253.72,857.16 R26_U_LED_BUFFER72.2@3400.63,857.16
L_OUT5_U_LED_BUFFER73: R26_U_LED_BUFFER73.2 U7_U_LED_BUFFER73.14 | length 329.5
  Top Layer w7: U7_U_LED_BUFFER73.14@5104.96,775.55 5169.02,775.55 5191.3,797.83 v2(5194.39,797.83)
  Bottom Layer w7: v2(5194.39,797.83) 5253.72,857.16 R26_U_LED_BUFFER73.2@5400.63,857.16
L_OUT5_U_LED_BUFFER74: R26_U_LED_BUFFER74.2 U7_U_LED_BUFFER74.14 | length 329.5
  Top Layer w7: U7_U_LED_BUFFER74.14@7104.96,775.55 7169.02,775.55 7191.3,797.83 v2(7194.39,797.83)
  Bottom Layer w7: v2(7194.39,797.83) 7253.72,857.16 R26_U_LED_BUFFER74.2@7400.63,857.16
L_OUT5_U_LED_BUFFER81: R26_U_LED_BUFFER81.2 U7_U_LED_BUFFER81.14 | length 229.5
  Top Layer w7: U7_U_LED_BUFFER81.14@1104.96,325.55 1149.02,325.55 v2@1150.63,327.16
  Bottom Layer w7: R26_U_LED_BUFFER81.2@1000.63,407.16 1081.83,325.97 v2(1150.19,325.97)